# KiCad board classd-amp.kicad_pcb
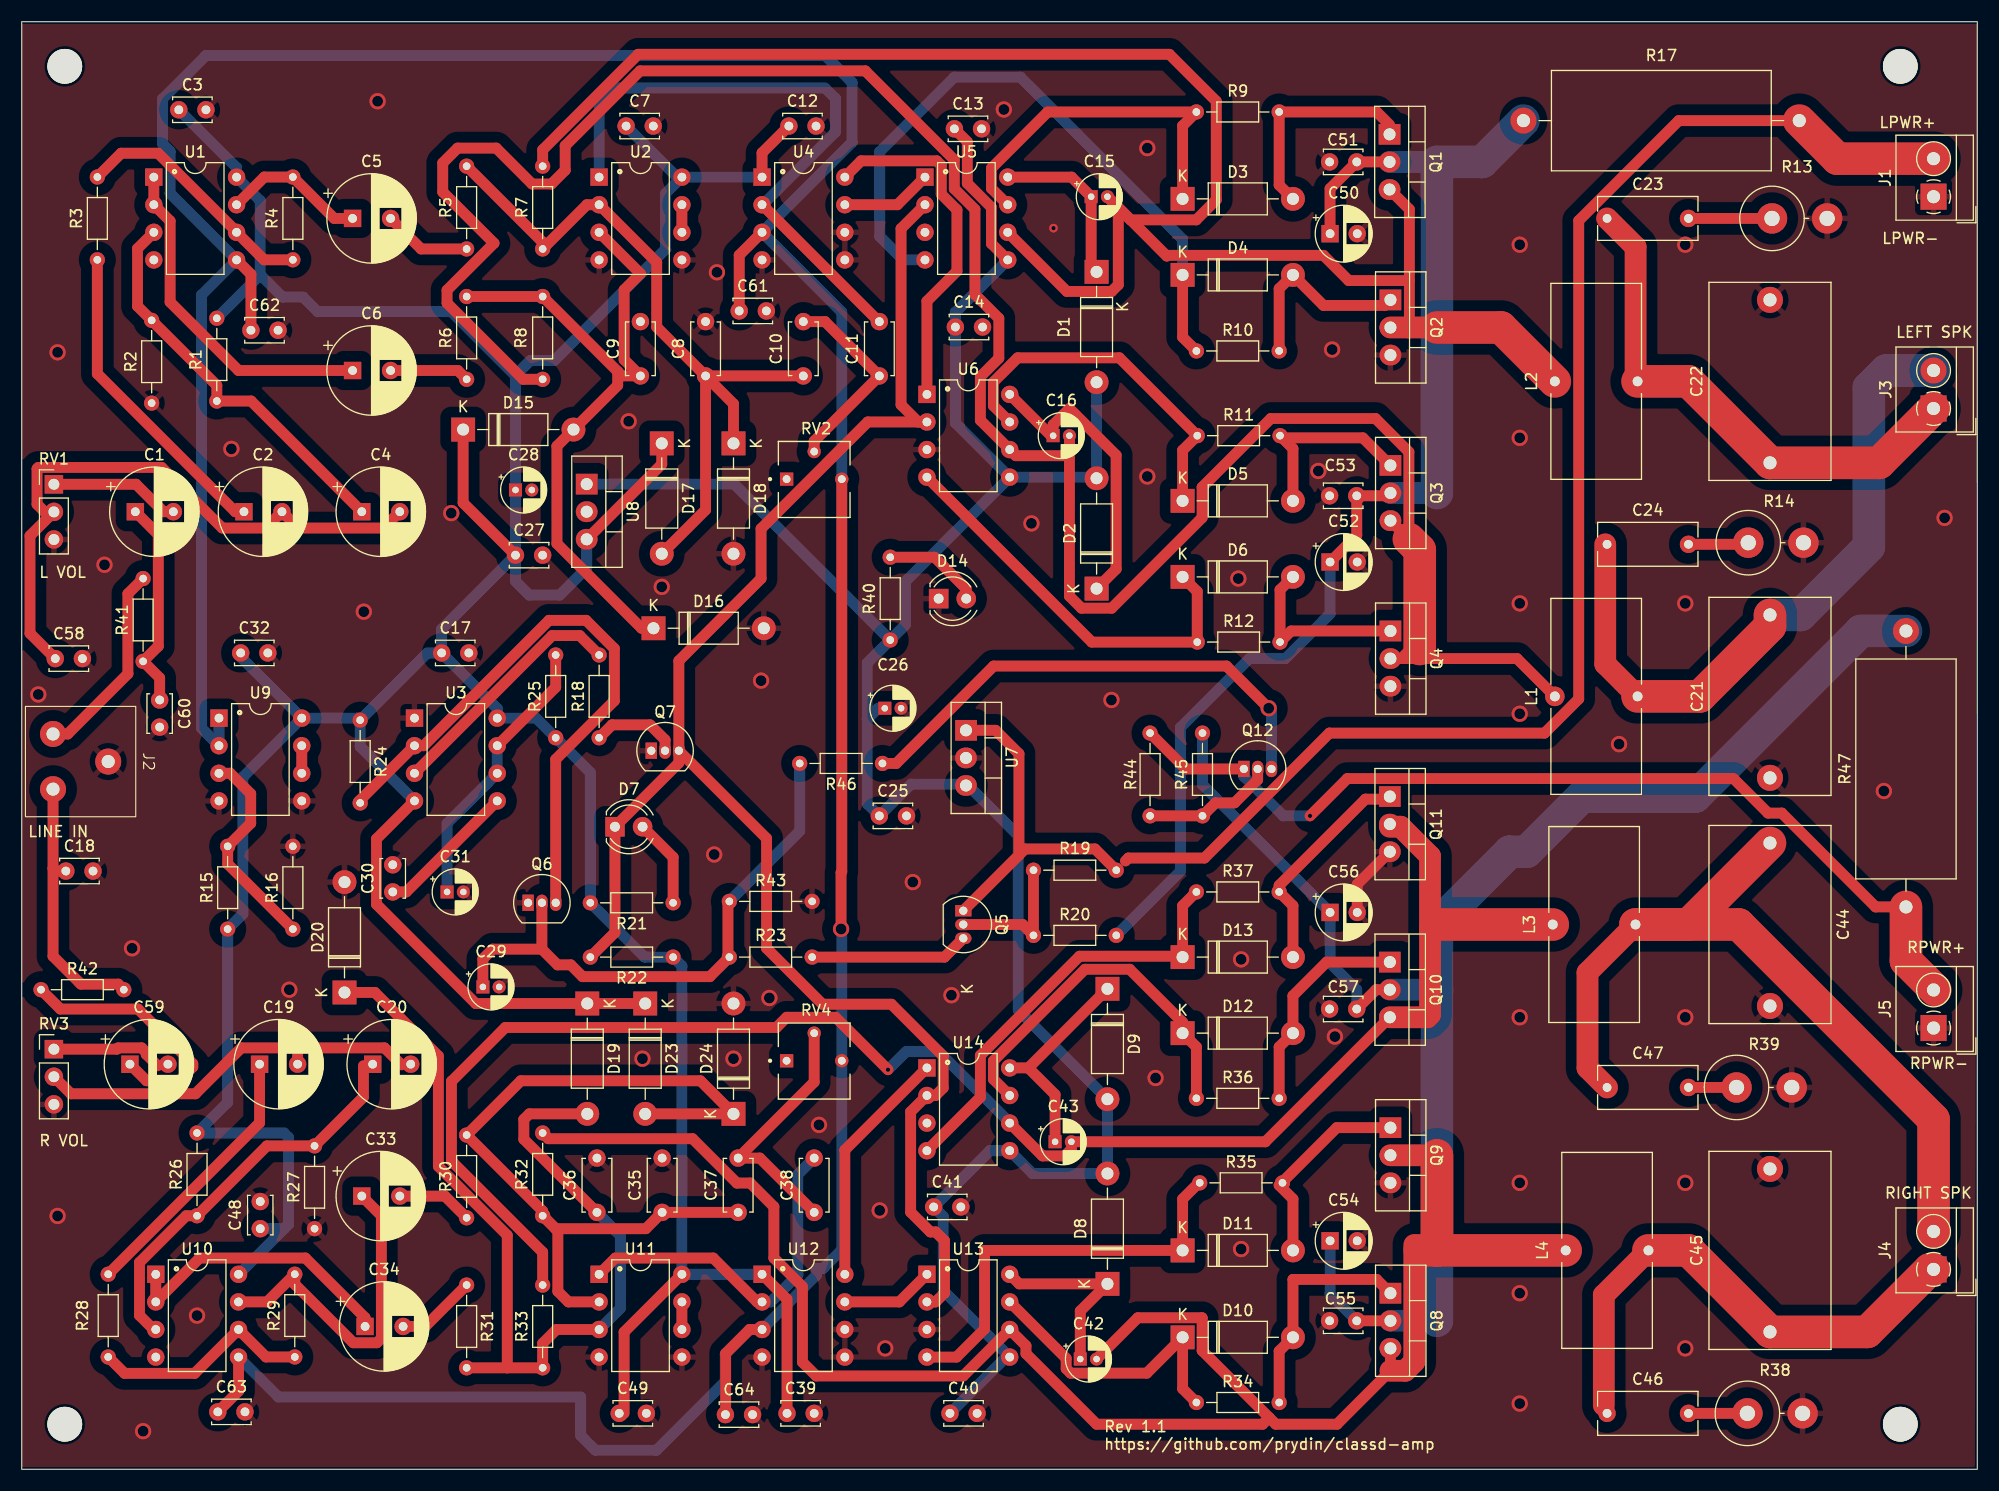
[diagram p0: board, top side]
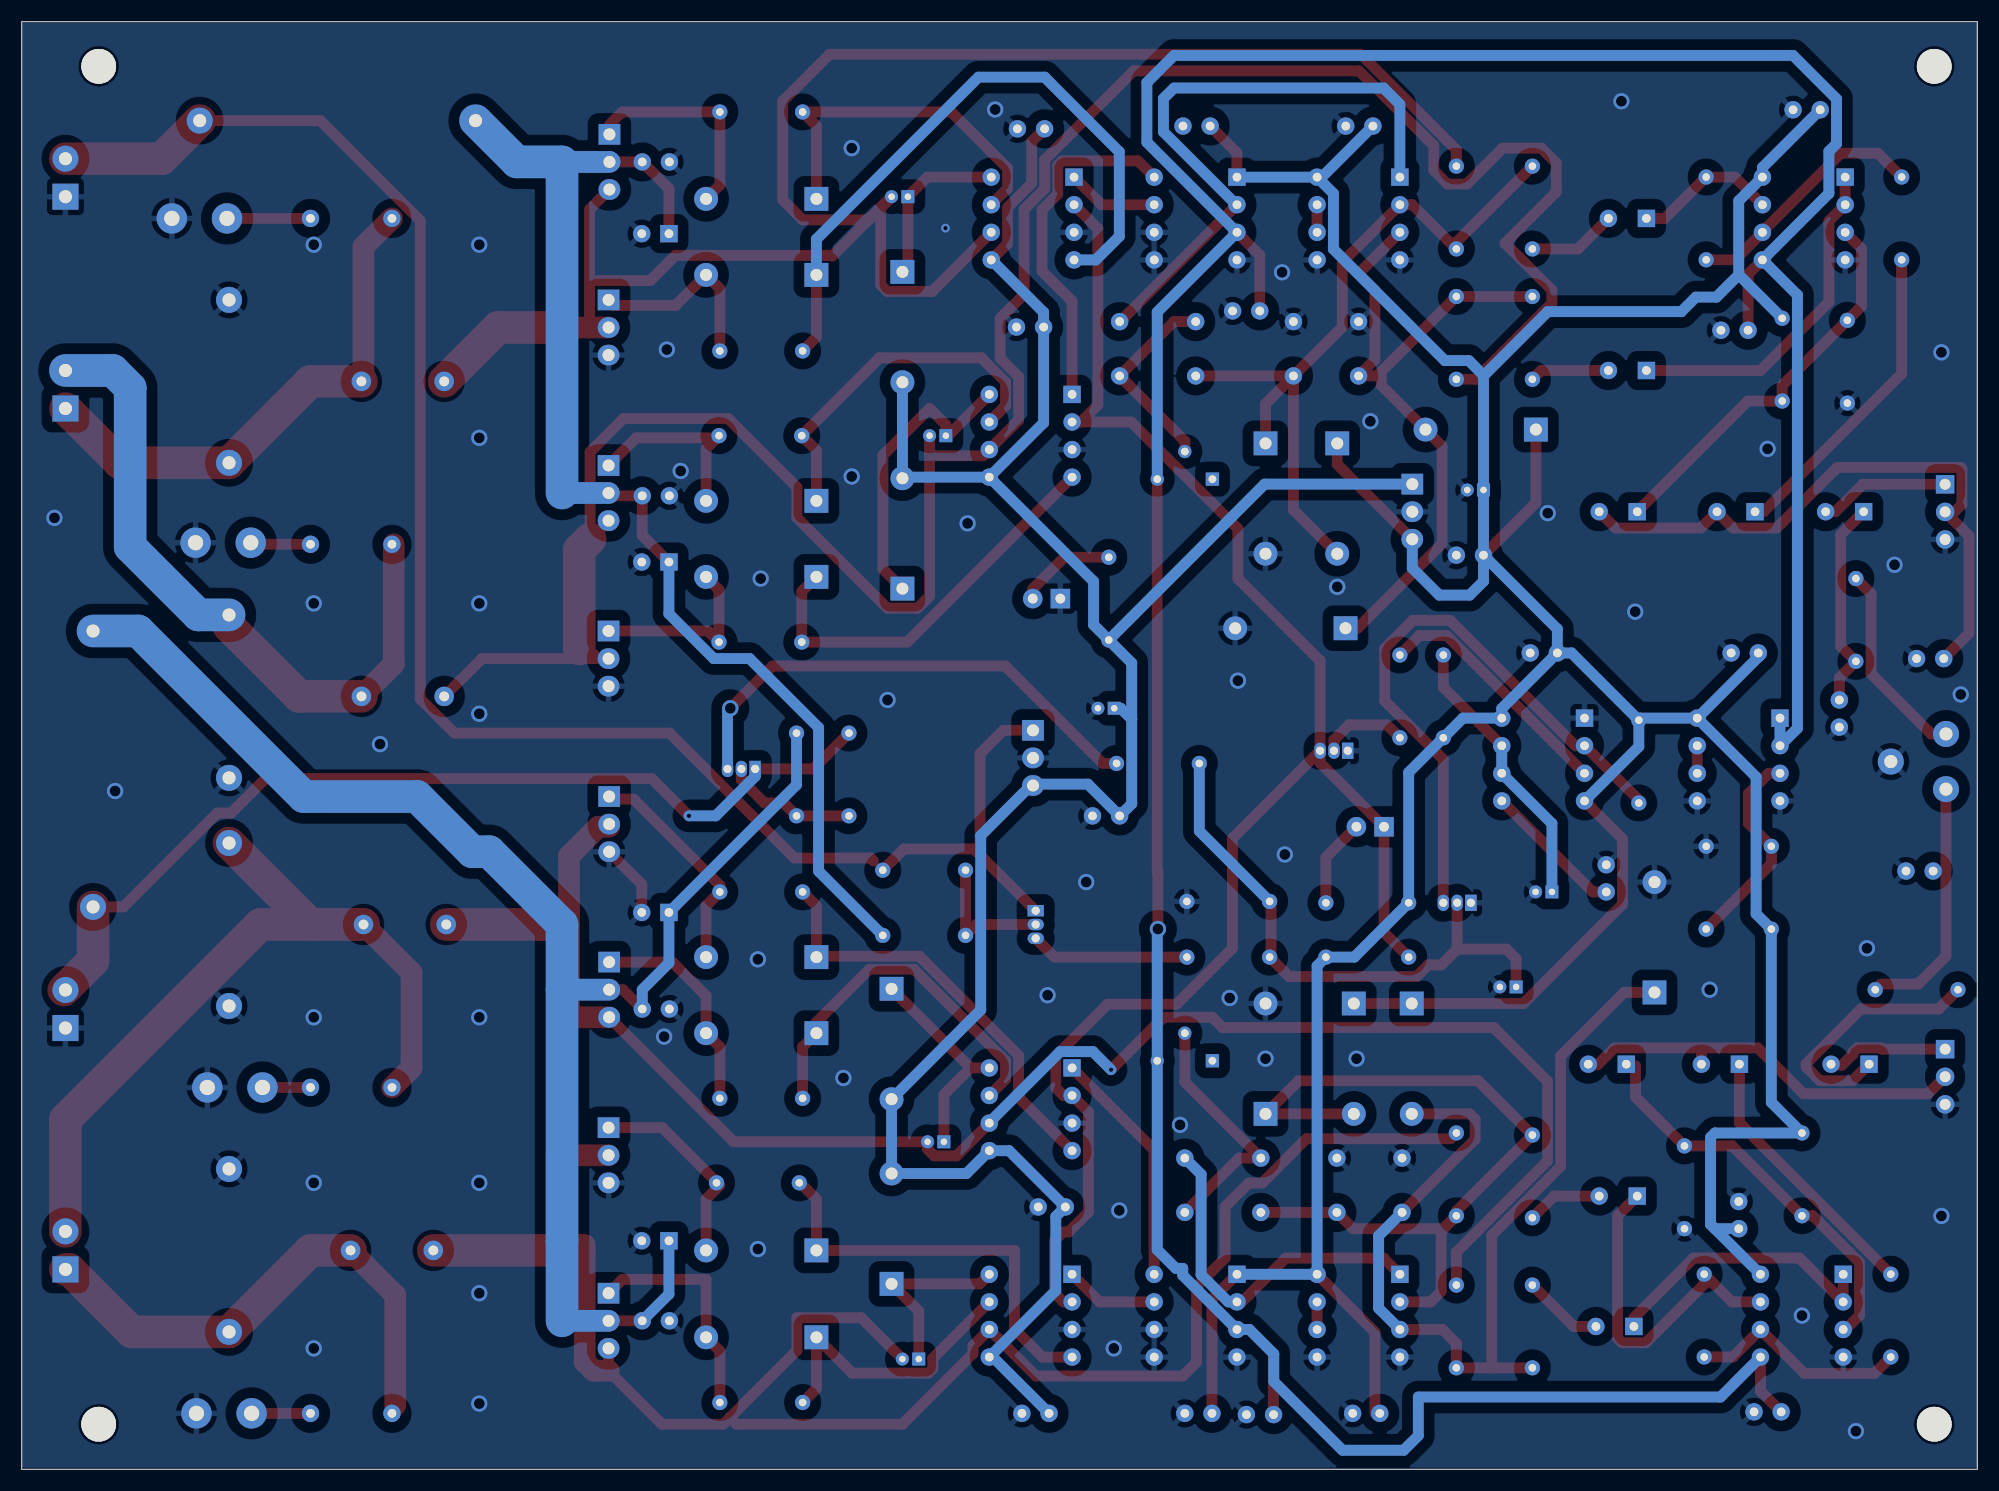
[diagram p1: board, bottom side, seen from below]

Outline 180.05 x 133.25 mm; copper layers: Top, Bottom (plane). Coordinates in mm from the lower left corner of the outline.
Outline path: rectangle 0,133.25 180.05,0
Stack: Top 0.035mm / dielectric 1.51mm FR4 er 4.5 / Bottom 0.035mm

## Placement (name value [footprint] x y rotation side)
C1  22u  [CP_Radial_D8.0mm_P3.50mm]  10.46 88.15 0 top
C2  22u  [CP_Radial_D8.0mm_P3.50mm]  20.46 88.15 0 top
C3  100n  [C_Disc_D3.4mm_W2.1mm_P2.50mm]  14.46 125.15 0 top
C4  22u  [CP_Radial_D8.0mm_P3.50mm]  31.31 88.15 0 top
C5  22u  [CP_Radial_D8.0mm_P3.50mm]  30.46 115.15 0 top
C6  22u  [CP_Radial_D8.0mm_P3.50mm]  30.46 101.15 0 top
C7  100n  [C_Disc_D3.4mm_W2.1mm_P2.50mm]  55.65 123.65 0 top
C8  1n  [C_Disc_D4.7mm_W2.5mm_P5.00mm]  62.96 100.65 90 top
C9  1n  [C_Disc_D4.7mm_W2.5mm_P5.00mm]  56.96 100.65 90 top
C10  1n  [C_Disc_D4.7mm_W2.5mm_P5.00mm]  71.96 100.65 90 top
C11  1n  [C_Disc_D4.7mm_W2.5mm_P5.00mm]  78.96 100.65 90 top
C12  100n  [C_Disc_D3.4mm_W2.1mm_P2.50mm]  70.63 123.65 0 top
C13  100n  [C_Disc_D3.4mm_W2.1mm_P2.50mm]  85.87 123.4 0 top
C14  100n  [C_Disc_D3.4mm_W2.1mm_P2.50mm]  85.96 105.15 0 top
C15  1u  [CP_Radial_D4.0mm_P1.50mm]  98.46 117.15 0 top
C16  1u  [CP_Radial_D4.0mm_P1.50mm]  94.96 95.15 0 top
C17  100n  [C_Disc_D3.4mm_W2.1mm_P2.50mm]  38.66 75.15 0 top
C18  220p  [C_Disc_D3.4mm_W2.1mm_P2.50mm]  4.06 55.07 0 top
C19  22u  [CP_Radial_D8.0mm_P3.50mm]  21.9 37.29 0 top
C20  22u  [CP_Radial_D8.0mm_P3.50mm]  32.31 37.29 0 top
C21  1u  [C_Rect_L18.0mm_W11.0mm_P15.00mm_FKS3_FKP3]  160.96 78.65 270 top
C22  1u  [C_Rect_L18.0mm_W11.0mm_P15.00mm_FKS3_FKP3]  160.96 92.65 90 top
C23  470n  [C_Rect_L9.0mm_W3.8mm_P7.50mm_MKT]  145.96 115.15 0 top
C24  470n  [C_Rect_L9.0mm_W3.8mm_P7.50mm_MKT]  145.96 85.15 0 top
C25  100n  [C_Disc_D3.4mm_W2.1mm_P2.50mm]  78.96 60.15 0 top
C26  10u  [CP_Radial_D4.0mm_P1.50mm]  79.46 70.06 0 top
C27  100n  [C_Disc_D3.4mm_W2.1mm_P2.50mm]  45.46 84.15 0 top
C28  10u  [CP_Radial_D4.0mm_P1.50mm]  45.46 90.15 0 top
C29  10u  [CP_Radial_D4.0mm_P1.50mm]  42.46 44.4 0 top
C30  10n  [C_Disc_D3.4mm_W2.1mm_P2.50mm]  34.16 53.15 90 top
C31  10u  [CP_Radial_D4.0mm_P1.50mm]  39.16 53.15 0 top
C32  100n  [C_Disc_D3.4mm_W2.1mm_P2.50mm]  20.16 75.15 0 top
C33  22u  [CP_Radial_D8.0mm_P3.50mm]  31.31 25.15 0 top
C34  22u  [CP_Radial_D8.0mm_P3.50mm]  31.61 13.15 0 top
C35  1n  [C_Disc_D4.7mm_W2.5mm_P5.00mm]  58.96 23.65 90 top
C36  1n  [C_Disc_D4.7mm_W2.5mm_P5.00mm]  52.96 23.65 90 top
C37  1n  [C_Disc_D4.7mm_W2.5mm_P5.00mm]  65.96 23.65 90 top
C38  1n  [C_Disc_D4.7mm_W2.5mm_P5.00mm]  72.96 23.65 90 top
C39  100n  [C_Disc_D3.4mm_W2.1mm_P2.50mm]  70.46 5.15 0 top
C40  100n  [C_Disc_D3.4mm_W2.1mm_P2.50mm]  85.46 5.15 0 top
C41  100n  [C_Disc_D3.4mm_W2.1mm_P2.50mm]  83.96 24.15 0 top
C42  1u  [CP_Radial_D4.0mm_P1.50mm]  97.46 10.15 0 top
C43  1u  [CP_Radial_D4.0mm_P1.50mm]  95.14 30.15 0 top
C44  1u  [C_Rect_L18.0mm_W11.0mm_P15.00mm_FKS3_FKP3]  160.96 57.65 270 top
C45  1u  [C_Rect_L18.0mm_W11.0mm_P15.00mm_FKS3_FKP3]  160.96 12.65 90 top
C46  470n  [C_Rect_L9.0mm_W3.8mm_P7.50mm_MKT]  145.96 5.15 0 top
C47  470n  [C_Rect_L9.0mm_W3.8mm_P7.50mm_MKT]  145.96 35.15 0 top
C48  100n  [C_Disc_D3.4mm_W2.1mm_P2.50mm]  21.96 22.15 90 top
C49  100n  [C_Disc_D3.4mm_W2.1mm_P2.50mm]  55.01 5.15 0 top
C50  10u  [CP_Radial_D5.0mm_P2.50mm]  120.46 113.74 0 top
C51  100n  [C_Disc_D3.4mm_W2.1mm_P2.50mm]  122.92 120.35 180 top
C52  10u  [CP_Radial_D5.0mm_P2.50mm]  120.46 83.52 0 top
C53  100n  [C_Disc_D3.4mm_W2.1mm_P2.50mm]  122.92 89.61 180 top
C54  10u  [CP_Radial_D5.0mm_P2.50mm]  120.46 21.03 0 top
C55  100n  [C_Disc_D3.4mm_W2.1mm_P2.50mm]  122.92 13.67 180 top
C56  10u  [CP_Radial_D5.0mm_P2.50mm]  120.46 51.26 0 top
C57  100n  [C_Disc_D3.4mm_W2.1mm_P2.50mm]  122.92 42.37 180 top
C58  4.7n  [C_Disc_D3.4mm_W2.1mm_P2.50mm]  3.09 74.63 0 top
C59  22u  [CP_Radial_D8.0mm_P3.50mm]  9.96 37.29 0 top
C60  4.7n  [C_Disc_D3.4mm_W2.1mm_P2.50mm]  12.7 70.82 270 top
C61  220p  [C_Disc_D3.4mm_W2.1mm_P2.50mm]  66.06 106.63 0 top
C62  220p  [C_Disc_D3.4mm_W2.1mm_P2.50mm]  21.1 104.85 0 top
C63  220p  [C_Disc_D3.4mm_W2.1mm_P2.50mm]  18.05 5.29 0 top
C64  220p  [C_Disc_D3.4mm_W2.1mm_P2.50mm]  64.79 5.03 0 top
D1  MUR460  [D_DO-41_SOD81_P10.16mm_Horizontal]  98.96 110.23 270 top
D2  MUR460  [D_DO-41_SOD81_P10.16mm_Horizontal]  98.96 81.07 90 top
D3  SB140  [D_DO-41_SOD81_P10.16mm_Horizontal]  106.88 116.95 0 top
D4  SB140  [D_DO-41_SOD81_P10.16mm_Horizontal]  106.88 109.95 0 top
D5  SB140  [D_DO-41_SOD81_P10.16mm_Horizontal]  106.88 89.15 0 top
D6  SB140  [D_DO-41_SOD81_P10.16mm_Horizontal]  106.88 82.15 0 top
D7  FAULT  [LED_D4.0mm]  54.62 59.15 0 top
D8  1N4001  [D_DO-41_SOD81_P10.16mm_Horizontal]  99.96 17.07 90 top
D9  1N4001  [D_DO-41_SOD81_P10.16mm_Horizontal]  99.96 44.23 270 top
D10  SB140  [D_DO-41_SOD81_P10.16mm_Horizontal]  106.88 12.15 0 top
D11  SB140  [D_DO-41_SOD81_P10.16mm_Horizontal]  106.88 20.15 0 top
D12  SB140  [D_DO-41_SOD81_P10.16mm_Horizontal]  106.88 40.15 0 top
D13  SB140  [D_DO-41_SOD81_P10.16mm_Horizontal]  106.88 47.15 0 top
D14  POWER  [LED_D4.0mm]  84.42 80.15 0 top
D15  SB140  [D_DO-41_SOD81_P10.16mm_Horizontal]  40.64 95.71 0 top
D16  SB140  [D_DO-41_SOD81_P10.16mm_Horizontal]  58.17 77.42 0 top
D17  SB140  [D_DO-41_SOD81_P10.16mm_Horizontal]  58.93 94.44 270 top
D18  SB140  [D_DO-41_SOD81_P10.16mm_Horizontal]  65.53 94.44 270 top
D19  SB140  [D_DO-41_SOD81_P10.16mm_Horizontal]  52.07 42.88 270 top
D20  SB140  [D_DO-41_SOD81_P10.16mm_Horizontal]  29.72 43.89 90 top
D23  SB140  [D_DO-41_SOD81_P10.16mm_Horizontal]  57.4 42.88 270 top
D24  SB140  [D_DO-41_SOD81_P10.16mm_Horizontal]  65.53 32.72 90 top
J1  POWER  [TerminalBlock_4Ucon_1x02_P3.50mm_Horizontal]  176.02 117.15 90 top
J2  Conn_Coaxial_x2  [RCA_Stereo_Connector]  7.96 65.15 270 top
J3  LEFT  [TerminalBlock_4Ucon_1x02_P3.50mm_Horizontal]  176.02 97.65 90 top
J4  RIGHT  [TerminalBlock_4Ucon_1x02_P3.50mm_Horizontal]  176.02 18.4 90 top
J5  POWER  [TerminalBlock_4Ucon_1x02_P3.50mm_Horizontal]  176.02 40.62 90 top
L1  33u  [L_Toroid_Vertical_L17.8mm_W8.1mm_P7.62mm_Bourns_5700]  141.15 71.15 90 top
L2  33u  [L_Toroid_Vertical_L17.8mm_W8.1mm_P7.62mm_Bourns_5700]  141.15 100.15 90 top
L3  33u  [L_Toroid_Vertical_L17.8mm_W8.1mm_P7.62mm_Bourns_5700]  140.96 50.15 90 top
L4  33u  [L_Toroid_Vertical_L17.8mm_W8.1mm_P7.62mm_Bourns_5700]  142.15 20.15 90 top
Q1  IRF540N  [TO-220-3_Vertical]  125.94 122.89 270 top
Q2  IRF540N  [TO-220-3_Vertical]  126.02 107.65 270 top
Q3  IRF540N  [TO-220-3_Vertical]  126.02 92.41 270 top
Q4  IRF540N  [TO-220-3_Vertical]  126.02 77.17 270 top
Q5  2N3906  [TO-92_Inline]  86.69 51.42 270 top
Q6  2N3904  [TO-92_Inline]  46.62 52.15 0 top
Q7  2N3904  [TO-92_Inline]  57.96 66.15 0 top
Q8  IRF540N  [TO-220-3_Vertical]  126.02 16.21 270 top
Q9  IRF540N  [TO-220-3_Vertical]  126.02 31.45 270 top
Q10  IRF540N  [TO-220-3_Vertical]  125.96 46.69 270 top
Q11  IRF540N  [TO-220-3_Vertical]  125.96 61.93 270 top
Q12  2N3906  [TO-92_Inline]  112.52 64.47 0 top
R1  22k  [R_Axial_DIN0204_L3.6mm_D1.6mm_P7.62mm_Horizontal]  17.96 98.34 90 top
R2  22k  [R_Axial_DIN0204_L3.6mm_D1.6mm_P7.62mm_Horizontal]  11.96 98.15 90 top
R3  47k  [R_Axial_DIN0204_L3.6mm_D1.6mm_P7.62mm_Horizontal]  6.96 111.34 90 top
R4  47k  [R_Axial_DIN0204_L3.6mm_D1.6mm_P7.62mm_Horizontal]  24.96 111.34 90 top
R5  3.3k  [R_Axial_DIN0204_L3.6mm_D1.6mm_P7.62mm_Horizontal]  40.96 112.34 90 top
R6  3.3k  [R_Axial_DIN0204_L3.6mm_D1.6mm_P7.62mm_Horizontal]  40.96 100.34 90 top
R7  100k  [R_Axial_DIN0204_L3.6mm_D1.6mm_P7.62mm_Horizontal]  47.96 112.34 90 top
R8  100k  [R_Axial_DIN0204_L3.6mm_D1.6mm_P7.62mm_Horizontal]  47.96 107.96 270 top
R9  4.7  [R_Axial_DIN0204_L3.6mm_D1.6mm_P7.62mm_Horizontal]  108.15 124.95 0 top
R10  4.7  [R_Axial_DIN0204_L3.6mm_D1.6mm_P7.62mm_Horizontal]  108.15 102.95 0 top
R11  4.7  [R_Axial_DIN0204_L3.6mm_D1.6mm_P7.62mm_Horizontal]  108.23 95.15 0 top
R12  4.7  [R_Axial_DIN0204_L3.6mm_D1.6mm_P7.62mm_Horizontal]  108.23 76.15 0 top
R13  10  [R_Axial_DIN0614_L14.3mm_D5.7mm_P5.08mm_Vertical]  161.15 115.15 0 top
R14  10  [R_Axial_DIN0614_L14.3mm_D5.7mm_P5.08mm_Vertical]  158.96 85.3 0 top
R15  47k  [R_Axial_DIN0204_L3.6mm_D1.6mm_P7.62mm_Horizontal]  18.96 49.73 90 top
R16  47k  [R_Axial_DIN0204_L3.6mm_D1.6mm_P7.62mm_Horizontal]  24.96 49.73 90 top
R17  0.5  [R_Axial_DIN0922_L20.0mm_D9.0mm_P25.40mm_Horizontal]  163.66 124.15 180 top
R18  4.7k  [R_Axial_DIN0204_L3.6mm_D1.6mm_P7.62mm_Horizontal]  53.16 67.34 90 top
R19  1.5k  [R_Axial_DIN0204_L3.6mm_D1.6mm_P7.62mm_Horizontal]  100.77 55.15 180 top
R20  1k  [R_Axial_DIN0204_L3.6mm_D1.6mm_P7.62mm_Horizontal]  93.15 49.15 0 top
R21  220  [R_Axial_DIN0204_L3.6mm_D1.6mm_P7.62mm_Horizontal]  59.97 52.15 180 top
R22  3.9k  [R_Axial_DIN0204_L3.6mm_D1.6mm_P7.62mm_Horizontal]  59.97 47.15 180 top
R23  4.7k  [R_Axial_DIN0204_L3.6mm_D1.6mm_P7.62mm_Horizontal]  72.77 47.15 180 top
R24  4.7k  [R_Axial_DIN0204_L3.6mm_D1.6mm_P7.62mm_Horizontal]  31.16 68.96 270 top
R25  47k  [R_Axial_DIN0204_L3.6mm_D1.6mm_P7.62mm_Horizontal]  49.16 67.34 90 top
R26  22k  [R_Axial_DIN0204_L3.6mm_D1.6mm_P7.62mm_Horizontal]  16.14 23.34 90 top
R27  22k  [R_Axial_DIN0204_L3.6mm_D1.6mm_P7.62mm_Horizontal]  26.96 22.15 90 top
R28  47k  [R_Axial_DIN0204_L3.6mm_D1.6mm_P7.62mm_Horizontal]  7.96 17.96 270 top
R29  47k  [R_Axial_DIN0204_L3.6mm_D1.6mm_P7.62mm_Horizontal]  25.14 10.34 90 top
R30  3.3k  [R_Axial_DIN0204_L3.6mm_D1.6mm_P7.62mm_Horizontal]  40.96 23.15 90 top
R31  3.3k  [R_Axial_DIN0204_L3.6mm_D1.6mm_P7.62mm_Horizontal]  40.96 16.96 270 top
R32  100k  [R_Axial_DIN0204_L3.6mm_D1.6mm_P7.62mm_Horizontal]  47.96 23.34 90 top
R33  100k  [R_Axial_DIN0204_L3.6mm_D1.6mm_P7.62mm_Horizontal]  47.96 9.34 90 top
R34  4.7  [R_Axial_DIN0204_L3.6mm_D1.6mm_P7.62mm_Horizontal]  108.15 6.15 0 top
R35  4.7  [R_Axial_DIN0204_L3.6mm_D1.6mm_P7.62mm_Horizontal]  108.46 26.37 0 top
R36  4.7  [R_Axial_DIN0204_L3.6mm_D1.6mm_P7.62mm_Horizontal]  108.15 34.15 0 top
R37  4.7  [R_Axial_DIN0204_L3.6mm_D1.6mm_P7.62mm_Horizontal]  108.15 53.15 0 top
R38  10  [R_Axial_DIN0614_L14.3mm_D5.7mm_P5.08mm_Vertical]  158.88 5.15 0 top
R39  10  [R_Axial_DIN0614_L14.3mm_D5.7mm_P5.08mm_Vertical]  157.88 35.15 0 top
R40  1k  [R_Axial_DIN0204_L3.6mm_D1.6mm_P7.62mm_Horizontal]  79.96 76.34 90 top
R41  10k  [R_Axial_DIN0204_L3.6mm_D1.6mm_P7.62mm_Horizontal]  11.18 74.37 90 top
R42  10k  [R_Axial_DIN0204_L3.6mm_D1.6mm_P7.62mm_Horizontal]  1.78 44.15 0 top
R43  1k  [R_Axial_DIN0204_L3.6mm_D1.6mm_P7.62mm_Horizontal]  65.15 52.28 0 top
R44  1.5k  [R_Axial_DIN0204_L3.6mm_D1.6mm_P7.62mm_Horizontal]  103.89 67.77 270 top
R45  1k  [R_Axial_DIN0204_L3.6mm_D1.6mm_P7.62mm_Horizontal]  108.71 60.15 90 top
R46  4.7k  [R_Axial_DIN0204_L3.6mm_D1.6mm_P7.62mm_Horizontal]  79.25 64.98 180 top
R47  0.5  [R_Axial_DIN0922_L20.0mm_D9.0mm_P25.40mm_Horizontal]  173.48 51.77 90 top
REF**  -  [MountingHole_3.2mm_M3]  172.96 129.15 0 top
REF**#2  -  [MountingHole_3.2mm_M3]  3.96 129.15 0 top
REF**#3  -  [MountingHole_3.2mm_M3]  172.96 4.15 0 top
REF**#4  -  [MountingHole_3.2mm_M3]  3.96 4.15 0 top
RV1  50k  [PinHeader_1x03_P2.54mm_Vertical]  2.96 90.67 0 top
RV2  2k  [TRIM_3362P-1-253LF]  72.96 91.15 0 top
RV3  50k  [PinHeader_1x03_P2.54mm_Vertical]  2.96 38.67 0 top
RV4  1k  [TRIM_3362P-1-253LF]  72.96 37.61 0 top
U1  TL072  [DIP-8_W7.62mm]  12.16 118.95 0 top
U2  TL072  [DIP-8_W7.62mm]  53.16 118.95 0 top
U3  NE555P  [DIP-8_W7.62mm]  36.16 69.15 0 top
U4  LT1016  [DIP-8_W7.62mm]  68.16 118.95 0 top
U5  IR2184  [DIP-8_W7.62mm]  83.16 118.95 0 top
U6  IR2184  [DIP-8_W7.62mm]  83.34 98.95 0 top
U7  LM7812_TO220  [TO-220-3_Vertical]  86.94 68.02 270 top
U8  LM7805_TO220  [TO-220-3_Vertical]  52.02 90.69 270 top
U9  LM358  [DIP-8_W7.62mm]  18.16 69.15 0 top